# Altium PCB MCH_MAIN.PCBDOC (part 6 of 14)
Units mil, origin at the board's own origin, x right, y up, seen from the top; angles counter-clockwise.
Board outline 7110.66 x 2894.12 mil, 6 copper layers (Top Layer, Power, MidLayer1, MidLayer4, GND, Bottom Layer), stack 61.549 mil thick; 630 components, 1085 nets, 3940 pads, 2676 vias.
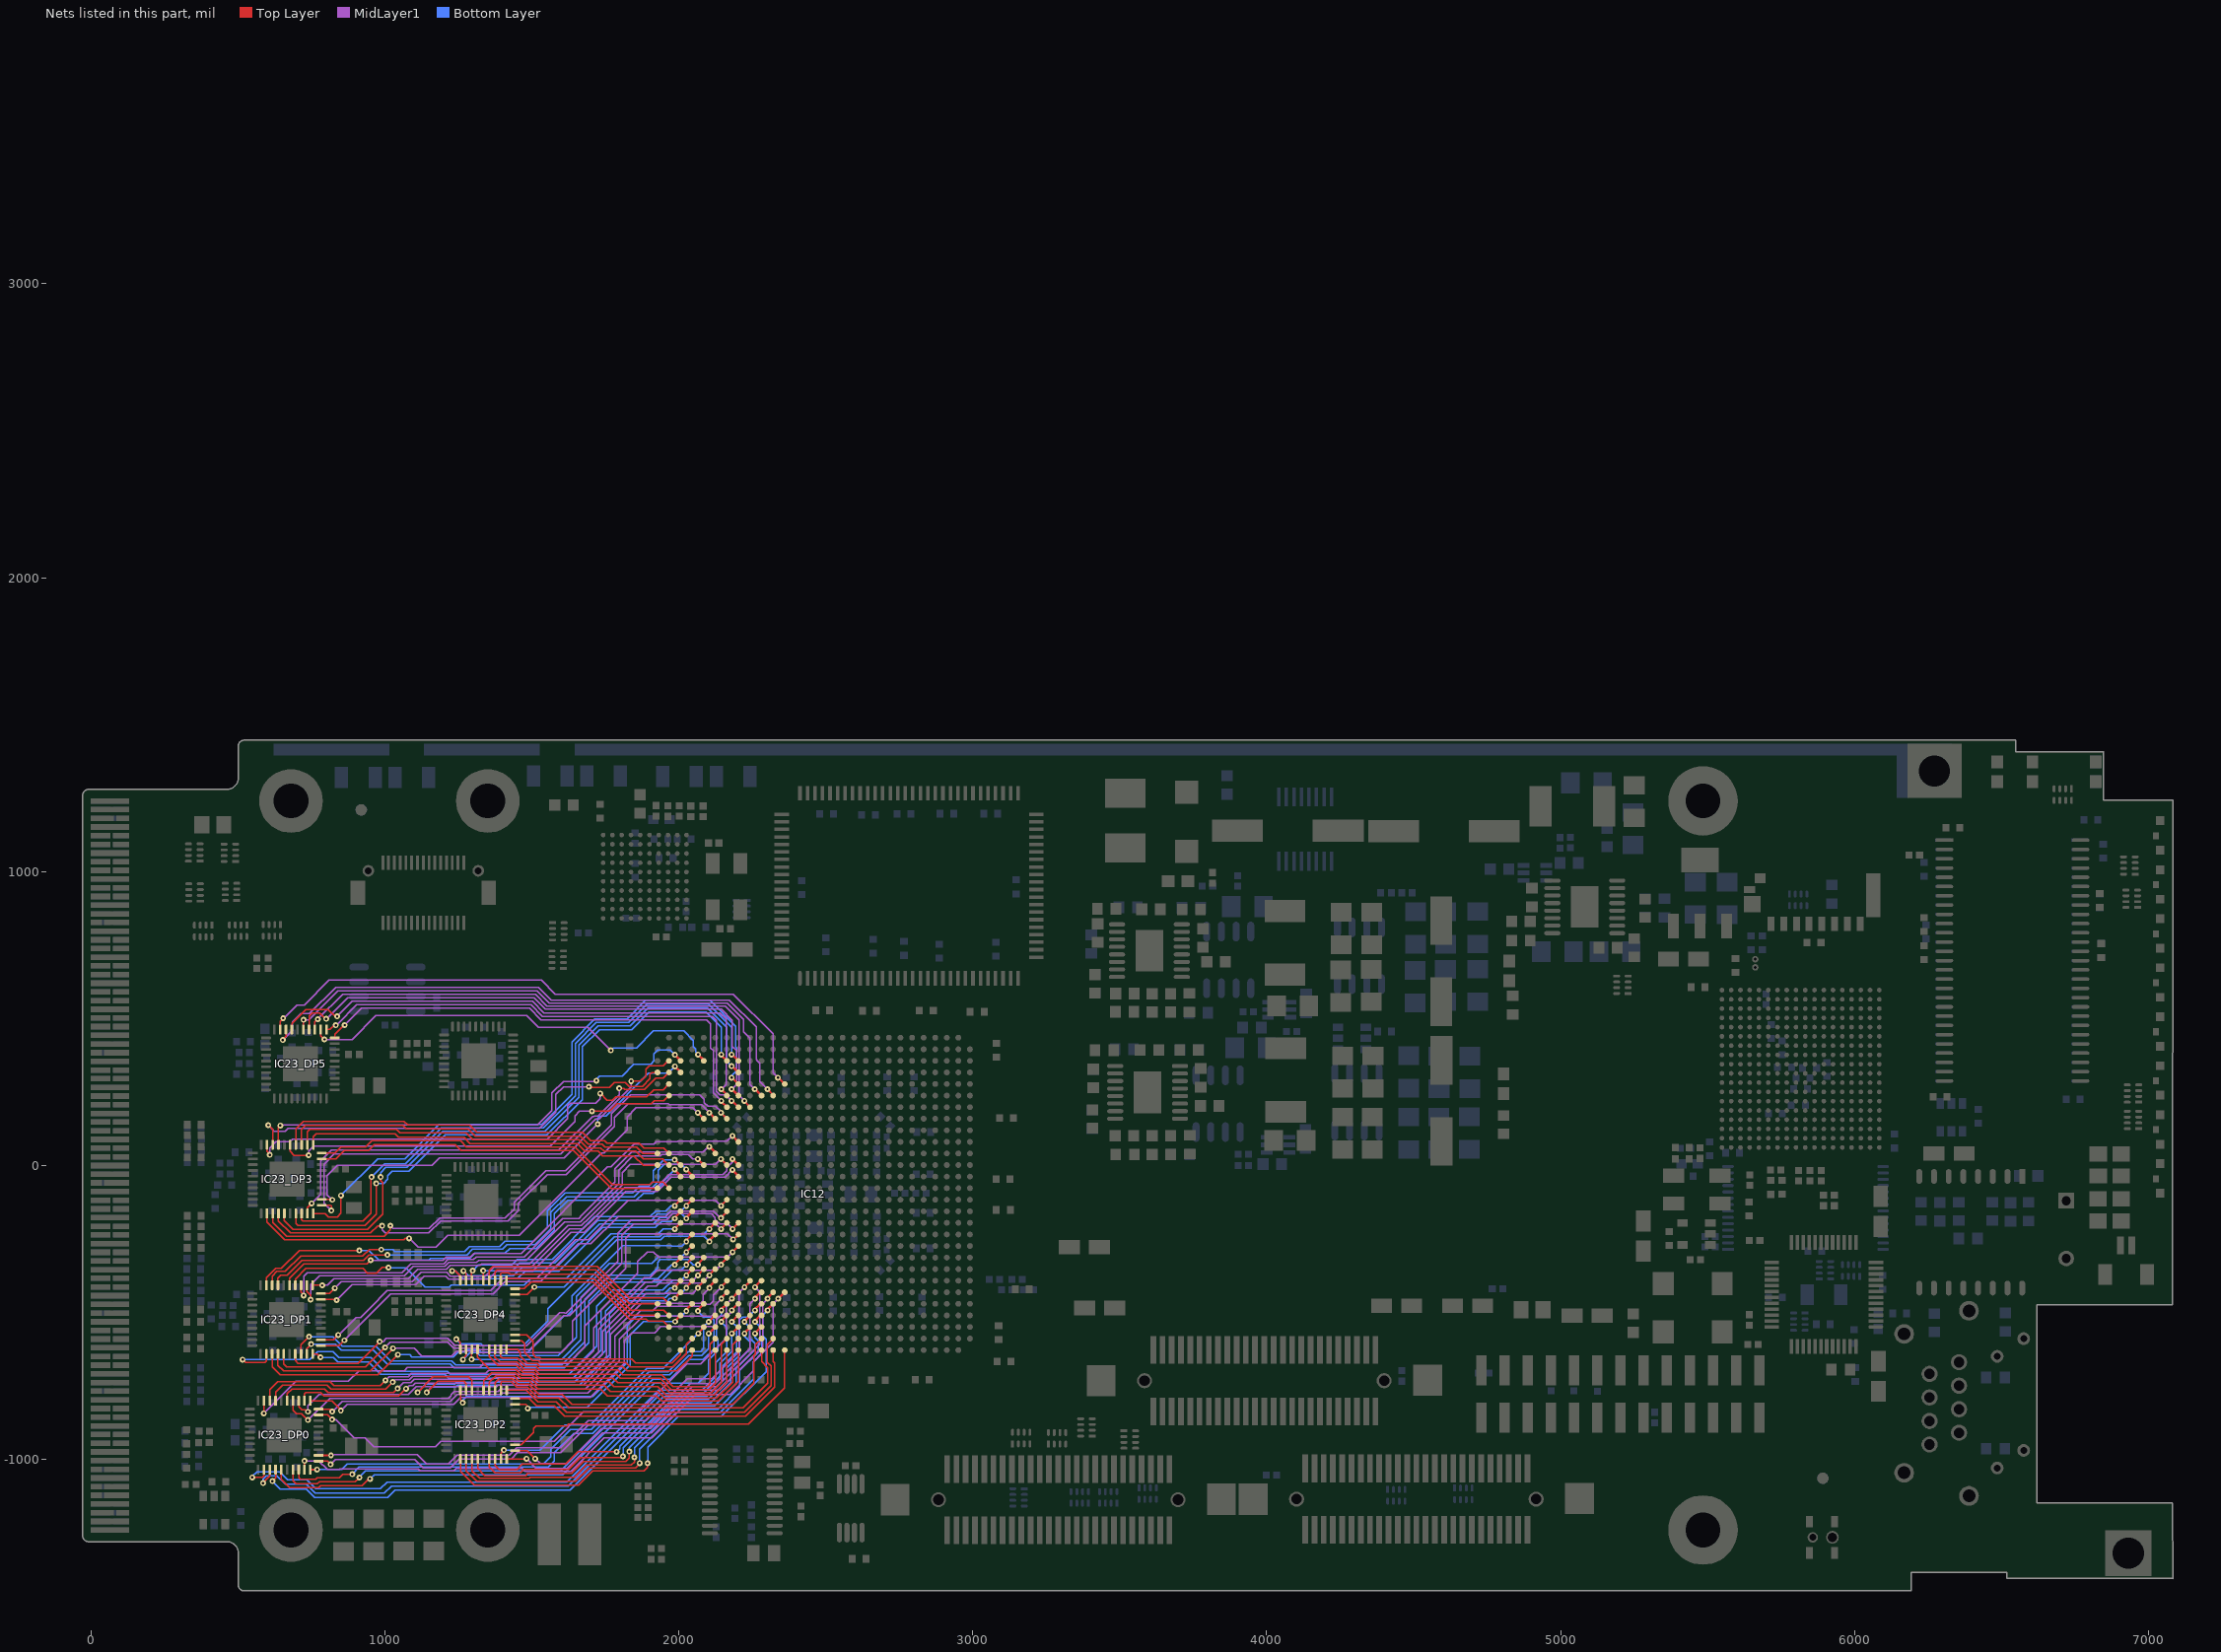
[diagram p10: the nets of this part, all layers, seen from the top]

## Via types
v1: diameter 20, hole 8, Top Layer to Bottom Layer, tented both sides, 1658 vias
v2: diameter 18, hole 8, Top Layer to Bottom Layer, tented both sides, 580 vias
v3: diameter 24, hole 10, Top Layer to Bottom Layer, tented both sides, 438 vias

## Nets (pads, with @x,y where several pads share a name; then routed paths per layer and width w, separated by ;. In a path a pad name is that pad's centre, name@x,y a point inside that pad or via, vN(x,y) a via of type N, cw(c..) or ccw(c..) an arc to the next point about the centre after c; other vN are vias at no path point) (continued)
DP0_RD0: IC12.W8 IC23_DP0.29 | length 1970.4
  Top Layer w5: v1@588.8,-840.7 588.8,-800.59 589.23,-800.16 IC23_DP0.29@589.29,-800.1
  Top Layer w8: v1@2183.37,-297.56 2183.37,-293.62 IC12.W8@2201.17,-275.83
  MidLayer1 w5: v1(588.6,-842.9) 589.2,-842.3 697.2,-734.3 876,-734.3 912.1,-698.2 1066.1,-698.2 1076.7,-687.6 1323.1,-687.6 1337.4,-673.3 1623.2,-673.3 1680,-616.5 1680,-546.7 1860.4,-366.3 1860.4,-326.5 1893.2,-293.7 1914,-293.7 1931.41,-311.11 2166.87,-311.11 v1(2183.37,-294.61)
DP0_RD1: IC12.Y7 IC23_DP0.28 | length 1833.4
  Top Layer w5: IC23_DP0.28@608.98,-800.1 608.98,-762.52 635.8,-735.7 814.4,-735.7 827,-748.3 985,-748.3 1001.8,-731.5 v1@1007.4,-731.5
  Top Layer w8: v1@2145.97,-332.99 2161.8,-317.17 IC12.Y7@2161.8,-315.2
  MidLayer1 w5: v1(1002.2,-730.9) 1014.9,-718.2 1079.96,-718.2 1090.56,-707.6 1342.7,-707.6 1353,-697.3 1644,-697.3 1710.8,-630.5 1710.8,-553.3 1883,-381.1 1902.4,-381.1 1927.4,-356.1 2125.82,-356.1 v1(2144,-337.92)
DP0_RD2: IC12.AA5 IC23_DP0.27 | length 1717.4
  Top Layer w5: IC23_DP0.27@628.66,-800.1 628.66,-771.16 652.32,-747.5 804,-747.5 816.4,-759.9 1003.8,-759.9 v1(1027.2,-736.5)
  Top Layer w8: v1@2061.32,-376.3 IC12.AA5@2081.09,-356.54
  MidLayer1 w5: v1(1027.2,-736.5) 1035.4,-728.3 1084,-728.3 1094.7,-717.6 1354.3,-717.6 1361.4,-710.5 1396.4,-710.5 ; 1393.2,-710.5 1396.4,-710.5 ; v1(2065.26,-373.35) 2048.76,-389.85 1916.65,-389.85 1909.2,-397.3 1887,-397.3 1727.2,-557.1 1727.2,-635.1 1651.8,-710.5 1396.4,-710.5
DP0_RD3: IC12.AA6 IC23_DP0.25 | length 1728.6
  Top Layer w5: IC23_DP0.25@668.03,-800.1 668.03,-776.07 684,-760.1 794.6,-760.1 807.4,-772.9 989.4,-772.9 ; 1003.4,-772.9 989.4,-772.9 ; v1(1044,-758.5) 1029.6,-772.9 989.4,-772.9
  Top Layer w8: v1@2098.73,-376.3 IC12.AA6@2118.49,-356.54
  MidLayer1 w5: v1(1044,-758.5) 1064,-738.5 1089.4,-738.5 1100.3,-727.6 1159.6,-727.6 ; 1156.2,-727.6 1159.6,-727.6 ; v1(2104.63,-373.35) 2078.08,-399.9 1934.2,-399.9 1924.4,-409.7 1895.2,-409.7 1740.4,-564.5 1740.4,-641.7 1659.6,-722.5 1370.4,-722.5 1365.3,-727.6 1159.6,-727.6
DP0_RD4: IC12.AB7 IC23_DP0.24 | length 1777.2
  Top Layer w5: IC23_DP0.24@687.72,-800.1 687.72,-833.02 699,-844.3 717,-844.3 v1(738.8,-866.1)
  Top Layer w8: v1@2144.49,-413.21 2161.8,-395.91 IC12.AB7@2161.8,-393.94
  MidLayer1 w5: v1(738.8,-866.1) 813.02,-791.88 1216.37,-791.88 1226.7,-781.55 1226.7,-778.55 1236.95,-768.3 1385.6,-768.3 1393,-760.9 1682.4,-760.9 1783.2,-660.1 1783.2,-580.9 1869.6,-494.5 1911.4,-494.5 1927.6,-478.3 2078.4,-478.3 2084.51,-472.19 2105.89,-472.19 2118.18,-459.91 2118.18,-440.51 v1(2144.99,-413.7)
DP0_RD5: IC12.AB6 IC23_DP0.23 | length 1701.2
  Top Layer w5: IC23_DP0.23@707.4,-800.1 707.4,-820.5 718.2,-831.3 730,-831.3 736.4,-837.7 v1(738.6,-837.7)
  Top Layer w8: v1@2098.73,-417.64 2118.49,-397.88 IC12.AB6@2118.49,-395.91
  MidLayer1 w5: v1(738.6,-837.7) 738,-837.1 738,-817.3 776.47,-778.83 1079.93,-778.83 1106.65,-752.1 1379.8,-752.1 1385.4,-746.5 1675.4,-746.5 1768.2,-653.7 1768.2,-574.3 1873.91,-468.59 2074.51,-468.59 2083.2,-459.9 2083.2,-438.09 v1(2104.63,-416.66)
DP0_RD6: IC12.AB5 IC23_DP0.22 | length 1597.8
  Top Layer w5: IC23_DP0.22@727.09,-800.1 727.09,-776.81 732,-771.9 781.2,-771.9 794,-784.7 1046.8,-784.7 v1(1072.2,-759.3)
  Top Layer w8: v1@2061.32,-417.64 2081.09,-397.88 IC12.AB5@2081.09,-395.91
  MidLayer1 w5: v1(1072.2,-759.3) 1083,-748.5 1095.2,-748.5 1104,-739.7 1375,-739.7 1380.2,-734.5 1669,-734.5 1754.4,-649.1 1754.4,-569.5 1889.2,-434.7 2047.22,-434.7 v1(2065.26,-416.66)
DP0_RD7: IC12.AC8 IC23_DP0.21 | length 1703
  Top Layer w5: IC23_DP0.21@746.77,-800.1 820,-800.1 v1@851.4,-831.5
  Top Layer w8: v1@2183.37,-451.11 2183.37,-449.14 IC12.AC8@2201.17,-431.34
  MidLayer1 w5: v1(850.6,-834.1) 872.6,-812.1 1234.6,-812.1 1257.8,-788.9 1699.4,-788.9 1814.6,-673.7 1814.6,-596.9 1842.2,-569.3 1917.8,-569.3 1938.79,-548.31 2117.99,-548.31 2128,-538.3 2128,-523.7 2139.9,-511.8 2150.69,-511.8 2161.49,-501 2161.49,-472.09 2161.45,-472.05 v1(2180.42,-453.07)
DP0_RD8: IC12.AC7 IC23_DP0.20 | length 1618.5
  Top Layer w5: IC23_DP0.20@775.32,-828.64 812.94,-828.64 v1(821.4,-837.1)
  Top Layer w8: v1@2144,-451.11 IC12.AC7@2161.8,-433.31
  MidLayer1 w5: v1(821.4,-837.1) 856.4,-802.1 1223.2,-802.1 1246.4,-778.9 1395,-778.9 1400.6,-773.3 1690,-773.3 1797.8,-665.5 1797.8,-591.9 1877.6,-512.1 2110.8,-512.1 2123.1,-499.8 2123.1,-488 ; 2123.1,-484.6 2123.1,-488 ; v1(2144.99,-453.07) 2123.1,-474.96 2123.1,-488
DP0_RD9: IC12.AD8 IC23_DP0.19 | length 1713.9
  Top Layer w5: IC23_DP0.19@775.32,-848.33 805.03,-848.33 v1(820.6,-863.9)
  Top Layer w8: v1@2185.34,-490.48 2185.34,-486.54 IC12.AD8@2201.17,-470.71
  MidLayer1 w5: v1(820.6,-863.9) 833.8,-863.9 895.7,-925.8 933.3,-925.8 963.6,-956.1 1172.61,-956.1 1190.6,-938.11 1576.39,-938.11 1676,-838.5 1864.2,-838.5 2026.8,-675.9 2074.8,-675.9 2162.2,-588.5 2162.2,-514.5 2180.1,-496.6 2180.42,-496.6 v1(2180.42,-492.44)
DP0_TD0: IC12.AE7 IC23_DP0.2 | length 2070.9
  Top Layer w5: v1(549.2,-1061.1) 584.6,-1061.1 589.29,-1056.41 IC23_DP0.2@589.29,-1034.35
  Top Layer w8: v1@2144,-533.78 2144,-529.85 IC12.AE7@2161.8,-512.05
  Bottom Layer w5: v1(549.2,-1061.1) 549.2,-1057.7 565.4,-1041.5 642,-1041.5 670.3,-1069.8 735.7,-1069.8 765,-1099.1 781.8,-1099.1 782,-1099.3 985.4,-1099.3 1008,-1076.7 1617.8,-1076.7 1931.2,-763.3 2079.6,-763.3 2126.6,-716.3 2126.6,-670.3 2163.69,-633.21 2163.69,-550.51 v1(2144.99,-531.81)
DP0_TD1: IC12.AF8 IC23_DP0.3 | length 2010.1
  Top Layer w5: v1(585.8,-1080.5) 603.2,-1063.1 603.2,-1062.1 608.98,-1056.32 IC23_DP0.3@608.98,-1034.35
  Top Layer w8: v1@2185.34,-567.25 2201.17,-551.42 IC12.AF8@2201.17,-549.45
  Bottom Layer w5: v1(585.8,-1080.5) 585.8,-1067.1 595.4,-1057.5 ; 591.8,-1061.1 595.4,-1057.5 ; v1(2180.42,-571.18) 2180.42,-632.88 2139.4,-673.9 2139.4,-717.64 2108.47,-748.57 2106.54,-750.5 2082.14,-774.9 2056.6,-774.9 2054,-774.9 1939.2,-774.9 1623.8,-1090.3 1023,-1090.3 998.2,-1115.1 764.2,-1115.1 733.7,-1084.6 662.5,-1084.6 633,-1055.1 597.8,-1055.1 595.4,-1057.5
DP0_TD2: IC12.AE8 IC23_DP0.4 | length 2021.9
  Top Layer w5: v1(617.6,-1073.5) 628.66,-1062.44 IC23_DP0.4@628.66,-1034.35
  Top Layer w8: v1@2183.37,-531.81 2183.37,-527.88 IC12.AE8@2201.17,-510.08
  Bottom Layer w5: v1@617.8,-1073.3 v1(617.6,-1073.5) 644.6,-1100.5 732.6,-1100.5 761,-1128.9 1009.6,-1128.9 1034.2,-1104.3 1630.2,-1104.3 1810.1,-924.4 ; 1807.8,-926.7 1810.1,-924.4 ; v1(2180.42,-531.81) 2196.92,-548.31 2196.92,-580.79 ; 2197.15,-581.03 2196.92,-580.79 ; 1810.1,-924.4 1949.6,-784.9 2095.4,-784.9 2150,-730.3 2150,-681.3 2196.92,-634.38 2196.92,-580.79
DP0_TD3: IC12.AD7 IC23_DP0.5 | length 1921.6
  Top Layer w5: IC23_DP0.5@648.35,-1034.35 648.35,-1068.15 676.09,-1095.9 775,-1095.9 781.8,-1089.1 923.4,-1089.1 946.2,-1066.3 v1(949.8,-1066.3)
  Top Layer w8: v1@2145.97,-492.44 2145.97,-488.51 IC12.AD7@2161.8,-472.68
  Bottom Layer w5: v1(949.8,-1066.3) 964.4,-1051.7 1605.2,-1051.7 1917,-739.9 2067,-739.9 2100.8,-706.1 2100.8,-661.9 2133.4,-629.3 2133.4,-593.1 2128.49,-588.19 2128.49,-524.98 2144.99,-508.48 v1(2144.99,-492.44)
DP0_TD4: IC12.AD5 IC23_DP0.7 | length 1857.4
  Top Layer w5: IC23_DP0.7@687.72,-1034.35 687.72,-1072.22 698.8,-1083.3 770.6,-1083.3 778.2,-1075.7 900,-1075.7 v1(914,-1061.7)
  Top Layer w8: v1@2065.26,-494.41 2065.26,-490.48 IC12.AD5@2081.09,-474.65
  Bottom Layer w5: v1(914,-1061.7) 914,-1059.5 934.2,-1039.3 1599,-1039.3 1911.8,-726.5 1971,-726.5 2028,-669.5 2028,-669.1 2036.5,-660.6 2083.5,-660.6 2119.49,-624.61 2119.49,-526.29 2108.51,-515.31 2085.18,-515.31 v1(2065.26,-495.4)
DP0_TD5: IC12.AF6 IC23_DP0.8 | length 1701.6
  Top Layer w5: IC23_DP0.8@707.4,-1034.35 707.4,-1062.1 713.4,-1068.1 765,-1068.1 770.2,-1062.9 845,-1062.9 857.6,-1050.3 v1(889.2,-1050.3)
  Top Layer w8: v1@2102.66,-571.18 2118.49,-555.36 IC12.AF6@2118.49,-553.39
  Bottom Layer w5: v1(889.2,-1050.3) 913.2,-1026.3 1245,-1026.3 1555.8,-1026.3 1577,-1005.1 1577,-976.9 1643,-910.9 1707.8,-910.9 1906.2,-712.5 1969.4,-712.5 2035.1,-646.8 2077.9,-646.8 2101.68,-623.02 v1(2101.68,-571.18)
DP0_TD6: IC12.AC12 IC23_DP0.9 | length 2029.4
  Top Layer w5: IC23_DP0.9@727.09,-1034.35 v1@727.09,-1004.1
  Top Layer w8: v1@2340.85,-453.07 2340.85,-451.11 IC12.AC12@2358.65,-433.31
  MidLayer1 w5: v1(727,-1005.1) 775.4,-1005.1 804.7,-1034.4 838,-1034.4 845.9,-1034.4 847.5,-1032.8 1114.3,-1032.8 1121,-1039.5 1233.8,-1039.5 1242.4,-1030.9 1467.7,-1030.9 1476.9,-1040.1 1633,-1040.1 1746.6,-926.5 1908,-926.5 2056,-778.5 2174.75,-778.5 2254.4,-698.85 2254.4,-667.9 2321,-601.3 2321,-469.97 v1(2337.9,-453.07)
DP0_TD7: IC12.AE6 IC23_DP0.10 | length 1649.5
  Top Layer w6: IC23_DP0.10@746.77,-1034.35 v1(769.52,-1034.35)
  Top Layer w8: v1@2100.69,-535.75 2100.69,-531.81 IC12.AE6@2118.49,-514.02
  Bottom Layer w5: v1(769.52,-1034.35) 769.57,-1034.3 789.8,-1034.3 789.9,-1034.4 853.1,-1034.4 872.5,-1015 1539.1,-1015 1564,-990.1 1564,-965.7 1632,-897.7 1703,-897.7 1899.2,-701.5 1964.4,-701.5 2033.4,-632.5 2074.4,-632.5 2085.18,-621.72 2085.18,-548.31 v1(2101.68,-531.81)
DP0_TD8: IC12.AC10 IC23_DP0.11 | length 1862.2
  Top Layer w5: IC23_DP0.11@775.32,-1005.81 804.51,-1005.81 v1(815.6,-1016.9)
  Top Layer w8: v1@2258.17,-453.07 2258.17,-451.11 IC12.AC10@2275.97,-433.31
  MidLayer1 w5: v1(815.6,-1016.9) 831.4,-1001.1 1102.8,-1001.1 1131.2,-1029.5 1222,-1029.5 1253.6,-997.9 1430.8,-997.9 1451.2,-977.5 1598.05,-977.5 1692.25,-883.3 1898.2,-883.3 2039.2,-742.3 2122.8,-742.3 2242,-623.1 2242,-470.23 v1(2259.16,-453.07)
DP0_TD9: IC12.AB9 IC23_DP0.12 | length 1850.2
  Top Layer w6: IC23_DP0.12@775.32,-986.13 v1@807.91,-986.13
  Top Layer w8: v1@2222.74,-413.7 2242.51,-393.94 IC12.AB9@2242.51,-391.97
  MidLayer1 w5: v1(817,-986.1) 817,-986.02 819.12,-983.9 909.05,-983.9 909.15,-984 1110.6,-984 1141.8,-1015.2 1216.7,-1015.2 1246.3,-985.6 1423.5,-985.6 1448.4,-960.7 1599.2,-960.7 1692.2,-867.7 1887.8,-867.7 2029.6,-725.9 2112.8,-725.9 2205.92,-632.78 2205.92,-574.1 2205.92,-431.51 v1(2223.73,-413.7)
DP1_RD0: IC12.N3 IC23_DP1.29 | length 1663
  Top Layer w5: IC23_DP1.29@597.09,-407.12 597.09,-382.47 629.16,-350.4 647.9,-350.4 709.4,-288.9 v1(913.4,-288.9)
  Top Layer w8: v1@1986.25,-15.7 2006.28,-35.74 IC12.N3@2006.28,-37.64
  Bottom Layer w5: v1(913.4,-288.9) 946.8,-288.9 980,-322.1 1150.2,-322.1 1156,-316.3 1288.2,-316.3 1306.2,-298.3 1409.6,-298.3 1425,-282.9 1515.2,-282.9 1576.8,-221.3 1576.8,-163.9 1622.7,-118 1675.48,-118 1676.58,-119.1 1855,-119.1 1879.4,-94.7 1911.6,-94.7 1946.4,-59.9 1946.4,-54.7 v1@1985.82,-15.28 ; v1@1985.05,-14.5 v1@1985.82,-15.28 ; v1@1986.2,-14.9 v1@1985.82,-15.28 ; v1@1986.25,-15.7 v1@1985.82,-15.28
  other v1: 1986.3,-13.3
DP1_RD1: IC12.M3 IC23_DP1.28 | length 1662.2
  Top Layer w5: IC23_DP1.28@616.78,-407.5 616.78,-376.92 633.2,-360.5 661.6,-360.5 714,-308.1 925,-308.1 947,-286.1 v1(988,-286.1)
  Top Layer w8: v1@1987.37,17.68 1990.34,17.68 IC12.M3@2006.28,1.73
  Bottom Layer w5: v1(988,-286.1) 983,-286.1 1025,-286.1 1027.8,-286.1 1034,-292.3 1271,-292.3 1288.1,-275.2 1391.03,-275.2 1409,-257.23 1506.93,-257.23 1552.8,-211.36 1552.8,-153.96 1612.86,-93.9 1843.6,-93.9 1867.2,-70.3 1898,-70.3 1912.8,-55.5 1912.8,-17.5 1949.2,18.9 1986.14,18.9 v1@1987.37,17.68
  other v1: 1985.8,19.7
DP1_RD2: IC12.N4 IC23_DP1.27 | length 1677.8
  Top Layer w5: IC23_DP1.27@636.46,-407.5 IC23_DP1.27@636.46,-407.12 ; IC23_DP1.27@636.61,-407.12 636.61,-382.89 646.2,-373.3 668,-373.3 718.8,-322.5 927,-322.5 945.4,-304.1 v1(1009,-304.1)
  Top Layer w8: v1(2025.31,-13.08) 2045.65,-33.42 IC12.N4@2045.65,-37.64
  Bottom Layer w5: v1(1009,-304.1) 1013.8,-304.1 1014,-304.3 1022,-304.3 ; v1@1017.2,-304.3 1022,-304.3 ; 1930.7,-30 1930.7,-27.1 ; v1(2025.31,-13.08) 2009.03,3.2 1950.57,3.2 1930.7,-16.67 1930.7,-27.1 ; 1022,-304.3 1279,-304.3 1298.1,-285.2 1400.91,-285.2 1416,-270.11 1511.01,-270.11 1564.8,-216.33 1564.8,-158.93 1617.73,-106 1680.45,-106 1681.35,-106.9 1848.6,-106.9 1871.8,-83.7 1902.2,-83.7 1930.7,-55.2 1930.7,-27.1
DP1_RD3: IC12.K8 IC23_DP1.25 | length 1760.2
  Top Layer w5: IC23_DP1.25@675.83,-407.5 IC23_DP1.25@675.83,-407.12 ; IC23_DP1.25@675.98,-407.12 675.98,-384.12 724.6,-335.5 938.8,-335.5 v1(952,-322.3)
  Top Layer w8: v1(2182.79,101.09) 2203.14,80.75 IC12.K8@2203.14,80.47
  MidLayer1 w5: v1(952,-322.3) 1198.22,-322.3 1210.12,-310.4 1291.8,-310.4 1303.3,-298.9 1464.54,-298.9 1758.24,-5.2 1769.3,-5.2 1847.8,73.3 1914.8,73.3 1922.99,81.49 1995,81.49 1995.67,82.16 2163.86,82.16 v1(2182.79,101.09)
DP1_RD4: IC12.U3 IC23_DP1.24 | length 1478.5
  Top Layer w5: IC23_DP1.24@695.52,-407.5 IC23_DP1.24@695.52,-407.12 ; IC23_DP1.24@695.67,-407.12 695.67,-386.23 731.4,-350.5 925.8,-350.5 941.8,-366.5 972,-366.5 991.4,-347.1 v1(1013,-347.1)
  Top Layer w8: v1@1986.52,-216.85 v1(1986.52,-215.87) 1986.52,-214.88 IC12.U3@2004.32,-197.09
  Bottom Layer w5: v1@1013,-347.3 1071.2,-347.3 1138,-414.1 1219.2,-414.1 1226.6,-406.7 1372,-406.7 1374.6,-406.7 1474.4,-406.7 1497,-384.1 1618.4,-384.1 1770.2,-232.3 1931.17,-232.3 1947.6,-215.87 v1(1986.52,-215.87)
DP1_RD5: IC12.L6 IC23_DP1.23 | length 1730.8
  Top Layer w5: IC23_DP1.23@715.2,-407.5 715.2,-430.7 v1@728.6,-444.1
  Top Layer w8: v1@2104.05,65.66 2124.39,45.32 IC12.L6@2124.39,41.1
  MidLayer1 w5: v1(724,-442.5) 724,-376.9 736.1,-364.8 1000.9,-364.8 1058.1,-364.8 1089,-333.9 1200.77,-333.9 1214.27,-320.4 1301.4,-320.4 1310.9,-310.9 1474.6,-310.9 1605.3,-180.2 1659.68,-180.2 1671.1,-168.78 1671.1,-168.72 1783.5,-56.32 1783.5,-10.8 1840.48,46.18 2008.9,46.18 ; 2008.92,46.2 2036.06,46.2 ; 2036.09,46.18 2083.22,46.18 2102.7,65.66 v1@2104.05,65.66
  other v1: 2104,64.2
DP1_RD6: IC12.M5 IC23_DP1.22 | length 1683.7
  Top Layer w5: IC23_DP1.22@734.89,-407.5 734.89,-428.64 748,-441.75 748,-455.3 v1@749.8,-457.1
  Top Layer w8: v1(2064.68,22.35) 2085.02,2.01 IC12.M5@2085.02,1.73
  MidLayer1 w5: v1(748,-456.1) 748.8,-455.3 748.8,-434.1 ; v1@748.8,-449.5 748.8,-434.1 ; v1(2064.68,22.35) 2047.18,22.35 2032.33,37.2 2018.67,37.2 2018.57,37.1 1942.2,37.1 1937.6,32.5 1843.8,32.5 1795.5,-15.8 1795.5,-61.29 1683.1,-173.69 1683.1,-173.75 1664.65,-192.2 1612.1,-192.2 1481.4,-322.9 1319.7,-322.9 1312.2,-330.4 1218.41,-330.4 1204.91,-343.9 1097.4,-343.9 1066.5,-374.8 1009.85,-374.8 1007,-374.8 778.7,-374.8 748.8,-404.7 748.8,-434.1
DP1_RD7: IC12.M7 IC23_DP1.21 | length 1620.9
  Top Layer w5: IC23_DP1.21@754.57,-407.5 v1(787.4,-407.5)
  Top Layer w8: v1(2143.42,22.35) 2163.77,2.01 IC12.M7@2163.77,1.73
  MidLayer1 w5: v1(787.4,-407.5) 788.2,-406.7 805.8,-406.7 827.7,-384.8 1080.7,-384.8 1111.6,-353.9 1209.05,-353.9 1222.55,-340.4 1323.8,-340.4 1329.3,-334.9 1492,-334.9 1622.7,-204.2 1669.62,-204.2 1695.1,-178.72 1695.1,-178.66 1807.5,-66.26 1807.5,-23.8 1834.5,3.2 2009.98,3.2 2010.2,3.42 2124.49,3.42 v1(2143.42,22.35)
DP1_RD8: IC12.M8 IC23_DP1.20 | length 1640.9
  Top Layer w5: IC23_DP1.20@783.12,-436.04 811.26,-436.04 v1(829.8,-417.5)
  Top Layer w8: v1(2182.79,22.35) 2203.14,2.01 IC12.M8@2203.14,1.73
  MidLayer1 w5: v1(829.8,-417.5) 852.5,-394.8 1092.9,-394.8 1123.8,-363.9 1210.25,-363.9 1222.55,-376.2 1341.45,-376.2 1370.75,-346.9 1497.6,-346.9 1628.3,-216.2 1674.59,-216.2 1707.1,-183.69 1707.1,-183.63 1815.61,-75.11 1923.29,-75.11 1967.51,-30.89 2150.15,-30.89 2163.8,-17.23 2163.8,-6.63 2182.79,12.37 v1(2182.79,22.35)
DP1_RD9: IC12.N8 IC23_DP1.19 | length 1629.3
  Top Layer w5: IC23_DP1.19@783.12,-455.73 833.43,-455.73 v1@839,-461.3
  Top Layer w8: v1(2182.6,-14.9) 2203.14,-35.44 IC12.N8@2203.14,-37.64 ; IC12.N8@2204.98,-39.48 IC12.N8@2204.98,-37.75
  MidLayer1 w5: v1(836.4,-457.9) 889.5,-404.8 1104.8,-404.8 1133.6,-376 1208.21,-376 1218.41,-386.2 1353.7,-386.2 1380.8,-359.1 1503.5,-359.1 1634.4,-228.2 1679.5,-228.2 1820.2,-87.5 1926.94,-87.5 1974.55,-39.89 2157.61,-39.89 v1(2182.6,-14.9)
DP1_TD0: IC12.AA4 IC23_DP1.2 | length 1909.2
  Top Layer w5: v1(516.8,-660.3) 526.6,-670.1 592.4,-670.1 597.09,-665.41 IC23_DP1.2@597.09,-641.75
  Top Layer w8: v1@2023.92,-374.33 IC12.AA4@2043.69,-354.57
  Bottom Layer w5: v1(516.8,-660.3) 517,-660.1 745,-660.1 771.8,-633.3 823.28,-633.3 843.88,-653.9 952.64,-653.9 998.52,-699.78 1213.08,-699.78 1223.2,-709.9 1328.4,-709.9 1328.6,-709.7 1626.4,-709.7 1721.4,-614.7 1721.4,-478.3 1775.4,-424.3 1945.5,-424.3 1979.95,-389.85 2009.39,-389.85 v1(2025.89,-373.35)
DP1_TD1: IC12.V4 IC23_DP1.3 | length 1724.3
  Top Layer w5: IC23_DP1.3@616.78,-641.75 616.78,-684.48 644,-711.7 976.4,-711.7 v1(1044.5,-643.6)
  Top Layer w8: v1@2027.86,-256.22 2027.86,-252.29 IC12.V4@2043.69,-236.46
  Bottom Layer w5: v1(1044.5,-643.6) 1085.5,-643.6 1092.8,-650.9 1233.4,-650.9 1249.8,-634.5 1269.06,-634.5 1277.26,-626.3 1317.97,-626.3 1326.17,-634.5 1390,-634.5 1487.99,-634.5 1610.92,-511.57 1620.33,-511.57 1637.6,-494.3 1637.6,-443.9 1733.7,-347.8 ; 1731.4,-350.1 1733.7,-347.8 ; v1(2025.89,-259.18) 2010.66,-274.41 1975.18,-274.41 1973.15,-272.38 1946.25,-272.38 1946.13,-272.5 1938.67,-272.5 1938.55,-272.38 1809.12,-272.38 1733.7,-347.8
DP1_TD2: IC12.V8 IC23_DP1.4 | length 1949.1
  Top Layer w5: IC23_DP1.4@636.46,-641.75 636.46,-679.36 656.4,-699.3 951.8,-699.3 v1@1030,-621.1
  Top Layer w8: v1@2185.34,-256.22 2185.34,-252.29 IC12.V8@2201.17,-236.46
  MidLayer1 w5: v1(1027.8,-621.9) 1099.7,-621.9 1126.2,-648.4 1228.5,-648.4 1245.4,-631.5 1311.94,-631.5 1316.74,-636.3 1599.6,-636.3 1639.3,-596.6 1639.3,-529.2 1819.4,-349.1 1819.4,-247.9 1834.93,-232.37 1996.13,-232.37 1996.2,-232.3 2058.36,-232.3 2058.43,-232.37 2165.87,-232.37 v1(2184.8,-251.3)
DP1_TD3: IC12.U7 IC23_DP1.5 | length 1858.4
  Top Layer w5: IC23_DP1.5@656.15,-641.75 656.15,-675.45 666.2,-685.5 934.4,-685.5 v1(1001,-618.9)
  Top Layer w8: v1@2144,-216.85 2144,-214.88 IC12.U7@2161.8,-197.09
  MidLayer1 w5: v1(1001,-618.9) 1017.8,-602.1 1214.35,-602.1 1233.75,-621.5 1316.08,-621.5 1320.88,-626.3 1492.93,-626.3 1607.67,-511.57 1628.33,-511.57 1806.8,-333.1 1806.8,-237.7 1846,-198.5 2070.6,-198.5 ; 2087.26,-198.5 2070.6,-198.5 ; v1(2144,-215.87) 2126.63,-198.5 2070.6,-198.5
  Bottom Layer w5: v1@2144,-219.9 v1(2144,-215.87)
DP1_TD4: IC12.U8 IC23_DP1.7 | length 1884.8
  Top Layer w5: IC23_DP1.7@695.52,-641.75 695.52,-663.42 705,-672.9 769.6,-672.9 ; 800.8,-672.9 769.6,-672.9 ; v1(982.6,-599.3) 909,-672.9 769.6,-672.9
  Top Layer w8: v1@2183.37,-216.85 2183.37,-214.88 IC12.U8@2201.17,-197.09
  MidLayer1 w5: v1(982.6,-599.3) 994.7,-599.3 1005.5,-588.5 1214.89,-588.5 1237.89,-611.5 1320.23,-611.5 1322.33,-613.6 1482.9,-613.6 1595.2,-501.3 1611.54,-501.3 1611.81,-501.57 1617.48,-501.57 1793.27,-325.77 1793.27,-230.63 1838.6,-185.3 1958.32,-185.3 1979.69,-163.94 2111.47,-163.94 2123.83,-176.3 2123.83,-182.97 2139.76,-198.9 2166.4,-198.9 v1(2183.37,-215.87)
DP1_TD5: IC12.Y3 IC23_DP1.8 | length 1603.9
  Top Layer w5: IC23_DP1.8@715.2,-641.75 715.2,-609.9 v1(742.4,-582.7)
  Top Layer w8: v1@1988.49,-332.99 2004.32,-317.17 IC12.Y3@2004.32,-315.2
  Bottom Layer w5: v1(742.4,-582.7) 742.8,-583.1 823.18,-583.1 854.93,-614.85 970.06,-614.85 1019.71,-664.5 1228,-664.5 1241.8,-678.3 1601.4,-678.3 1680.4,-599.3 1680.4,-455.1 1750.6,-384.9 1928.6,-384.9 1975.58,-337.92 v1(1986.52,-337.92)
DP1_TD6: IC12.Y4 IC23_DP1.9 | length 1602.7
  Top Layer w5: IC23_DP1.9@734.89,-641.75 734.89,-622.41 749.8,-607.5 v1(749.8,-607.7)
  Top Layer w8: v1@2027.86,-332.99 2043.69,-317.17 IC12.Y4@2043.69,-315.2
  Bottom Layer w5: v1(749.8,-607.7) 831.93,-607.7 852.48,-628.25 960.9,-628.25 1007.75,-675.1 1223.6,-675.1 1236.8,-688.3 1609.8,-688.3 1694.7,-603.4 1694.7,-461.6 1759.4,-396.9 1936.55,-396.9 1978.8,-354.65 2009.16,-354.65 v1(2025.89,-337.92)
DP1_TD7: IC12.AB3 IC23_DP1.10 | length 1506.7
  Top Layer w5: IC23_DP1.10@754.57,-641.75 770.65,-641.75 v1(781.4,-652.5)
  Top Layer w8: v1@1984.55,-415.67 2004.32,-395.91 IC12.AB3@2004.32,-393.94
  Bottom Layer w5: v1(781.4,-652.5) 825.77,-652.5 841.2,-667.93 943.91,-667.93 985.76,-709.78 1204.68,-709.78 1218.2,-723.3 1640.2,-723.3 1735.4,-628.1 1735.4,-490.5 1789.2,-436.7 1853.2,-436.7 ; 1849.8,-436.7 1853.2,-436.7 ; v1(1986.52,-416.66) v1(1986.52,-416.66) 1970.04,-416.7 1950.04,-436.7 1853.2,-436.7